# Altium PCB BreakOutBoard_Cyclone.PcbDoc (part 4 of 6)
Units mm, origin at the board's own origin, x right, y up, seen from the top; angles counter-clockwise.
Board outline 360 x 235.6 mm, 2 copper layers (Top Layer, Bottom Layer); 147 components, 204 nets, 2829 pads, 66 vias.
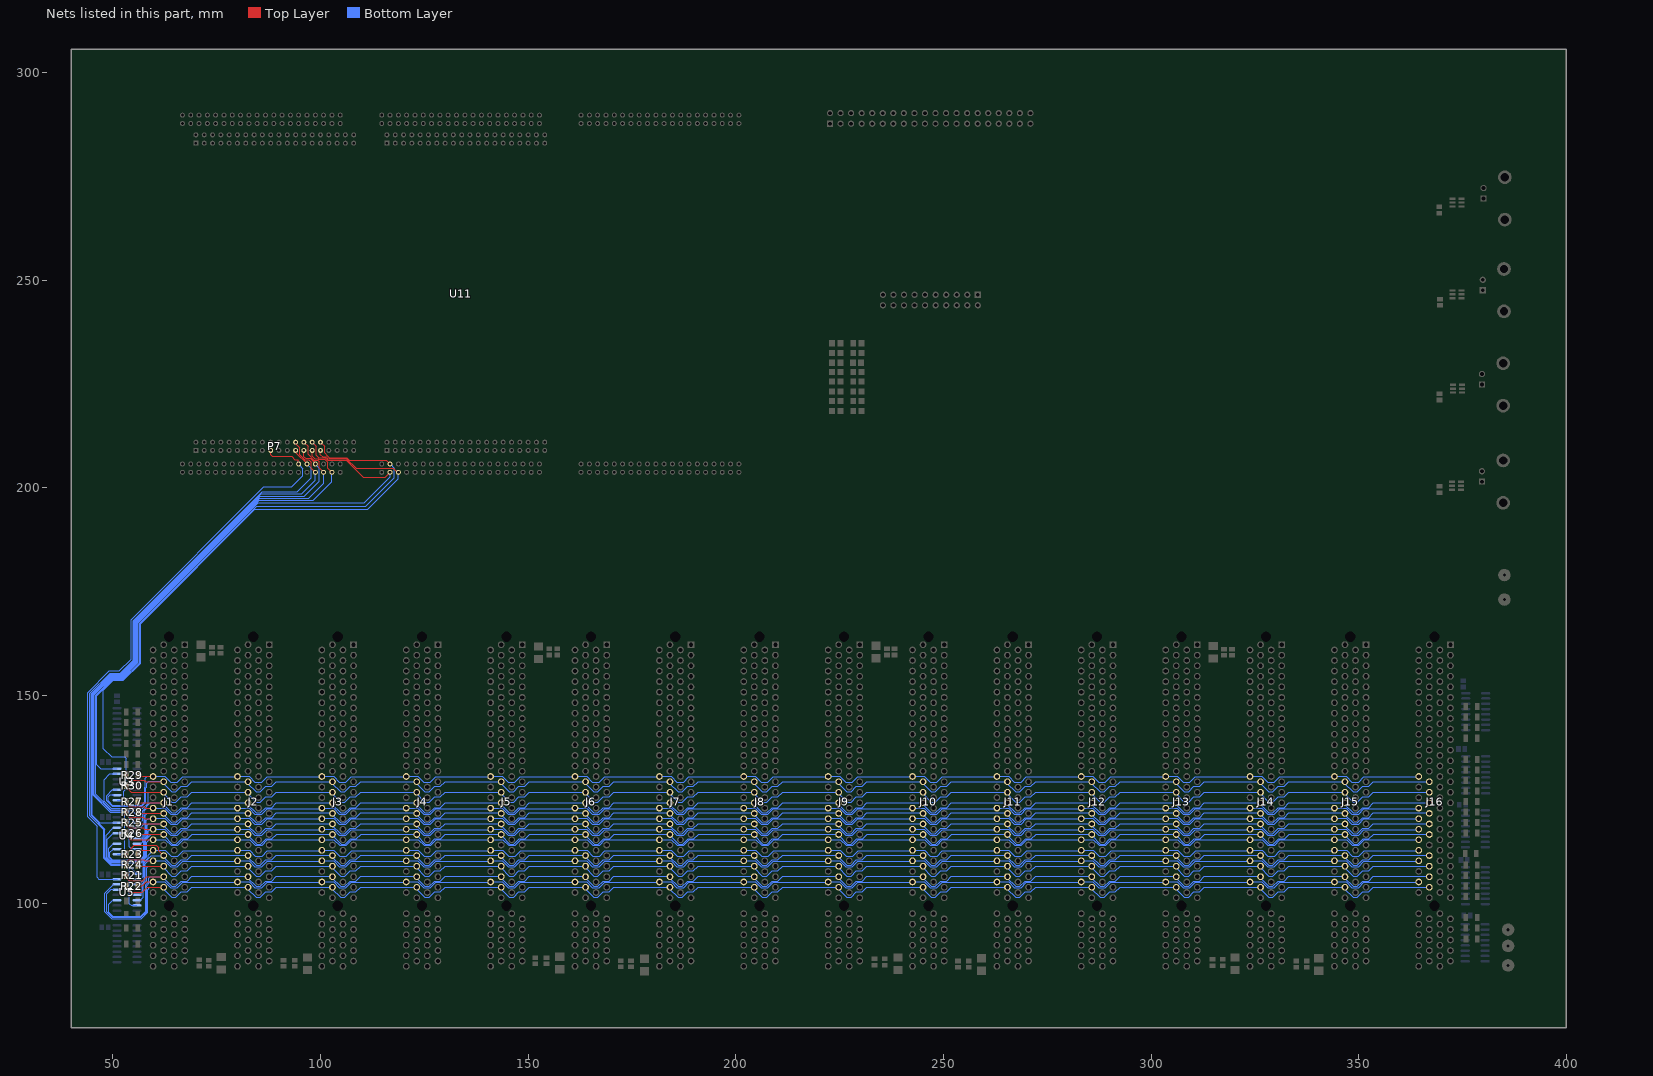
[diagram p4: the nets of this part, all layers, seen from the top]

## Via types
v1: diameter 0.6, hole 0.3, Top Layer to Bottom Layer, 50 vias
v2: diameter 5.5, hole 4.5, Top Layer to Bottom Layer, 15 vias
v3: diameter 1, hole 0.5, Top Layer to Bottom Layer, 1 vias

## Nets (pads, with @x,y where several pads share a name; then routed paths per layer and width w, separated by ;. In a path a pad name is that pad's centre, name@x,y a point inside that pad or via, vN(x,y) a via of type N, cw(c..) or ccw(c..) an arc to the next point about the centre after c; other vN are vias at no path point) (continued)
BUS20_P: J1.105 J2.105 J3.105 J4.105 J5.105 J6.105 J7.105 J8.105 J9.105 J10.105 J11.105 J12.105 J13.105 J14.105 J15.105 J16.105 R21.2 U5.11 | length 372.7
  Top Layer w0.127: R21.2@53.2,106.2 54,105.4 57.2,105.4 58.162,106.362 J1.105@62.23,106.362
  Bottom Layer w0.127: U5.11@50,100.7 49.046,99.746 49.046,97.754 50,96.8 56.659,96.8 57.862,98.003 57.862,104.384 58.616,105.138 58.616,106.016 58.962,106.362 J1.105@62.23,106.362 ; J1.105@62.1,106.4 62.1,106.1 64.2,104 65.2,104 66.5,105.3 67.9,105.3 69.023,106.422 J2.105@82.45,106.422 ; J2.105@82.42,106.4 82.42,106.1 84.52,104 85.52,104 86.82,105.3 88.22,105.3 89.343,106.422 J3.105@102.77,106.422 ; J3.105@102.74,106.4 102.74,106.1 104.84,104 105.84,104 107.14,105.3 108.54,105.3 109.663,106.422 J4.105@123.09,106.422 ; J4.105@123.06,106.4 123.06,106.1 125.16,104 126.16,104 127.46,105.3 128.86,105.3 129.983,106.422 J5.105@143.41,106.422 ; J5.105@143.38,106.4 143.38,106.1 145.48,104 146.48,104 147.78,105.3 149.18,105.3 150.303,106.422 J6.105@163.73,106.422 ; J6.105@163.7,106.4 163.7,106.1 165.8,104 166.8,104 168.1,105.3 169.5,105.3 170.623,106.422 J7.105@184.05,106.422 ; J7.105@184.02,106.4 184.02,106.1 186.12,104 187.12,104 188.42,105.3 189.82,105.3 190.943,106.422 J8.105@204.37,106.422 ; J8.105@204.34,106.4 204.34,106.1 206.44,104 207.44,104 208.74,105.3 210.14,105.3 211.263,106.422 J9.105@224.69,106.422 ; J9.105@224.66,106.4 224.66,106.1 226.76,104 227.76,104 229.06,105.3 230.46,105.3 231.583,106.422 J10.105@245.01,106.422 ; J10.105@244.98,106.4 244.98,106.1 247.08,104 248.08,104 249.38,105.3 250.78,105.3 251.903,106.422 J11.105@265.33,106.422 ; J11.105@265.3,106.4 265.3,106.1 267.4,104 268.4,104 269.7,105.3 271.1,105.3 272.223,106.422 J12.105@285.65,106.422 ; J12.105@285.62,106.4 285.62,106.1 287.72,104 288.72,104 290.02,105.3 291.42,105.3 292.543,106.422 J13.105@305.97,106.422 ; J13.105@305.94,106.4 305.94,106.1 308.04,104 309.04,104 310.34,105.3 311.74,105.3 312.863,106.422 J14.105@326.29,106.422 ; J14.105@326.26,106.4 326.26,106.1 328.36,104 329.36,104 330.66,105.3 332.06,105.3 333.183,106.422 J15.105@346.61,106.422 ; J15.105@346.58,106.4 346.58,106.1 348.68,104 349.68,104 350.98,105.3 352.38,105.3 353.503,106.422 J16.105@366.93,106.422
BUS21: P7.19 U5.15 U11.1A30 | length 142.3
  Top Layer w0.127: P7.19@88,209 88,208.008 88.4,207.608 93.051,207.608 93.859,206.8 94.5,206.8 94.7,206.6 U11.1A30@94.7,205.8
  Bottom Layer w0.127: 46.2,109.3 46.2,108.7 ; U5.15@51,105.775 46.625,105.775 46.2,106.2 46.2,108.7 ; U11.1A30@94.73,205.7 95.77,204.66 95.77,202.88 93.1,200.21 86.328,200.21 54.376,168.258 54.376,158.727 51.564,155.916 49.183,155.916 43.978,150.711 43.978,120.785 46.2,118.563 46.2,108.7
BUS21_N: J1.107 J2.107 J3.107 J4.107 J5.107 J6.107 J7.107 J8.107 J9.107 J10.107 J11.107 J12.107 J13.107 J14.107 J15.107 J16.107 R22.1 U5.14 | length 376.3
  Top Layer w0.127: R22.1@53.2,103.4 54,102.6 57.1,102.6 58.322,103.822 J1.107@62.23,103.822
  Bottom Layer w0.127: U5.14@50.2,104.5 48.1,102.4 48.1,97.941 49.749,96.292 56.87,96.292 58.37,97.792 58.37,103.27 58.923,103.822 J1.107@62.23,103.822 ; J1.107@62.1,103.8 62.1,103.5 64.2,101.4 65.2,101.4 66.5,102.7 67.9,102.7 69.023,103.822 J2.107@82.45,103.822 ; J2.107@82.42,103.8 82.42,103.5 84.52,101.4 85.52,101.4 86.82,102.7 88.22,102.7 89.343,103.822 J3.107@102.77,103.822 ; J3.107@102.74,103.8 102.74,103.5 104.84,101.4 105.84,101.4 107.14,102.7 108.54,102.7 109.663,103.822 J4.107@123.09,103.822 ; J4.107@123.06,103.8 123.06,103.5 125.16,101.4 126.16,101.4 127.46,102.7 128.86,102.7 129.983,103.822 J5.107@143.41,103.822 ; J5.107@143.38,103.8 143.38,103.5 145.48,101.4 146.48,101.4 147.78,102.7 149.18,102.7 150.303,103.822 J6.107@163.73,103.822 ; J6.107@163.7,103.8 163.7,103.5 165.8,101.4 166.8,101.4 168.1,102.7 169.5,102.7 170.623,103.822 J7.107@184.05,103.822 ; J7.107@184.02,103.8 184.02,103.5 186.12,101.4 187.12,101.4 188.42,102.7 189.82,102.7 190.943,103.822 J8.107@204.37,103.822 ; J8.107@204.34,103.8 204.34,103.5 206.44,101.4 207.44,101.4 208.74,102.7 210.14,102.7 211.263,103.822 J9.107@224.69,103.822 ; J9.107@224.66,103.8 224.66,103.5 226.76,101.4 227.76,101.4 229.06,102.7 230.46,102.7 231.583,103.822 J10.107@245.01,103.822 ; J10.107@244.98,103.8 244.98,103.5 247.08,101.4 248.08,101.4 249.38,102.7 250.78,102.7 251.903,103.822 J11.107@265.33,103.822 ; J11.107@265.3,103.8 265.3,103.5 267.4,101.4 268.4,101.4 269.7,102.7 271.1,102.7 272.223,103.822 J12.107@285.65,103.822 ; J12.107@285.62,103.8 285.62,103.5 287.72,101.4 288.72,101.4 290.02,102.7 291.42,102.7 292.543,103.822 J13.107@305.97,103.822 ; J13.107@305.94,103.8 305.94,103.5 308.04,101.4 309.04,101.4 310.34,102.7 311.74,102.7 312.863,103.822 J14.107@326.29,103.822 ; J14.107@326.26,103.8 326.26,103.5 328.36,101.4 329.36,101.4 330.66,102.7 332.06,102.7 333.183,103.822 J15.107@346.61,103.822 ; J15.107@346.58,103.8 346.58,103.5 348.68,101.4 349.68,101.4 350.98,102.7 352.38,102.7 353.503,103.822 J16.107@366.93,103.822
BUS21_P: J1.106 J2.106 J3.106 J4.106 J5.106 J6.106 J7.106 J8.106 J9.106 J10.106 J11.106 J12.106 J13.106 J14.106 J15.106 J16.106 R22.2 U5.13 | length 352
  Top Layer w0.127: R22.2@55.9,104.1 R22.2@55.95,104.1 57,104.1 57.993,105.093 J1.106@59.69,105.093
  Bottom Layer w0.127: U5.13@50.2,103.3 49.6,103.3 48.5,102.2 48.5,97.9 49.568,96.832 49.854,96.546 56.764,96.546 58.116,97.898 58.116,104.2 59.009,105.093 J1.106@59.69,105.093 ; J1.106@59.6,105.1 62.5,105.1 63.9,103.7 65.5,103.7 66.8,105 79.758,105 J2.106@79.91,105.152 ; J2.106@79.92,105.1 82.82,105.1 84.22,103.7 85.82,103.7 87.12,105 100.078,105 J3.106@100.23,105.152 ; J3.106@100.24,105.1 103.14,105.1 104.54,103.7 106.14,103.7 107.44,105 120.398,105 J4.106@120.55,105.152 ; J4.106@120.56,105.1 123.46,105.1 124.86,103.7 126.46,103.7 127.76,105 140.718,105 J5.106@140.87,105.152 ; J5.106@140.88,105.1 143.78,105.1 145.18,103.7 146.78,103.7 148.08,105 161.038,105 J6.106@161.19,105.152 ; J6.106@161.2,105.1 164.1,105.1 165.5,103.7 167.1,103.7 168.4,105 181.358,105 J7.106@181.51,105.152 ; J7.106@181.52,105.1 184.42,105.1 185.82,103.7 187.42,103.7 188.72,105 201.678,105 J8.106@201.83,105.152 ; J8.106@201.84,105.1 204.74,105.1 206.14,103.7 207.74,103.7 209.04,105 221.998,105 J9.106@222.15,105.152 ; J9.106@222.16,105.1 225.06,105.1 226.46,103.7 228.06,103.7 229.36,105 242.318,105 J10.106@242.47,105.152 ; J10.106@242.48,105.1 245.38,105.1 246.78,103.7 248.38,103.7 249.68,105 262.638,105 J11.106@262.79,105.152 ; J11.106@262.8,105.1 265.7,105.1 267.1,103.7 268.7,103.7 270,105 282.958,105 J12.106@283.11,105.152 ; J12.106@283.12,105.1 286.02,105.1 287.42,103.7 289.02,103.7 290.32,105 303.278,105 J13.106@303.43,105.152 ; J13.106@303.44,105.1 306.34,105.1 307.74,103.7 309.34,103.7 310.64,105 323.598,105 J14.106@323.75,105.152 ; J14.106@323.76,105.1 326.66,105.1 328.06,103.7 329.66,103.7 330.96,105 343.918,105 J15.106@344.07,105.152 ; J15.106@344.08,105.1 346.98,105.1 348.38,103.7 349.98,103.7 351.28,105 364.238,105 J16.106@364.39,105.152
BUS22: P7.26 U5.1 U11.1A33 | length 142.9
  Top Layer w0.127: P7.26@94,211 94,210.6 95,209.6 95,208 96.2,206.8 97.2,206.8 97.8,206.2 97.8,204.7 U11.1A33@98.75,203.75 U11.1A33@98.8,203.7
  Bottom Layer w0.127: U5.1@55.8,107.045 53.445,109.4 49.563,109.4 48.1,110.863 48.1,117.741 44.74,121.101 44.74,150.395 49.498,155.154 51.88,155.154 55.138,158.412 55.138,167.942 85.786,198.59 95.53,198.59 98.75,201.81 U11.1A33@98.75,203.74
BUS22_N: J1.100 J2.100 J3.100 J4.100 J5.100 J6.100 J7.100 J8.100 J9.100 J10.100 J11.100 J12.100 J13.100 J14.100 J15.100 J16.100 R23.1 U5.2 | length 334.4
  Top Layer w0.127: R23.1@56.2,112 56.912,112.712 J1.100@59.69,112.712
  Bottom Layer w0.127: U5.2@56.6,105.8 57.3,106.5 57.3,109.8 58.47,110.97 58.47,111.492 J1.100@59.69,112.712 ; J1.100@59.7,112.7 62.6,112.7 64,111.3 65.6,111.3 66.9,112.6 79.858,112.6 J2.100@80.01,112.752 ; J2.100@80.02,112.7 82.92,112.7 84.32,111.3 85.92,111.3 87.22,112.6 100.178,112.6 J3.100@100.33,112.752 ; J3.100@100.34,112.7 103.24,112.7 104.64,111.3 106.24,111.3 107.54,112.6 120.498,112.6 J4.100@120.65,112.752 ; J4.100@120.66,112.7 123.56,112.7 124.96,111.3 126.56,111.3 127.86,112.6 140.818,112.6 J5.100@140.97,112.752 ; J5.100@140.98,112.7 143.88,112.7 145.28,111.3 146.88,111.3 148.18,112.6 161.138,112.6 J6.100@161.29,112.752 ; J6.100@161.3,112.7 164.2,112.7 165.6,111.3 167.2,111.3 168.5,112.6 181.458,112.6 J7.100@181.61,112.752 ; J7.100@181.62,112.7 184.52,112.7 185.92,111.3 187.52,111.3 188.82,112.6 201.778,112.6 J8.100@201.93,112.752 ; J8.100@201.94,112.7 204.84,112.7 206.24,111.3 207.84,111.3 209.14,112.6 222.098,112.6 J9.100@222.25,112.752 ; J9.100@222.26,112.7 225.16,112.7 226.56,111.3 228.16,111.3 229.46,112.6 242.418,112.6 J10.100@242.57,112.752 ; J10.100@242.58,112.7 245.48,112.7 246.88,111.3 248.48,111.3 249.78,112.6 262.738,112.6 J11.100@262.89,112.752 ; J11.100@262.9,112.7 265.8,112.7 267.2,111.3 268.8,111.3 270.1,112.6 283.058,112.6 J12.100@283.21,112.752 ; J12.100@283.22,112.7 286.12,112.7 287.52,111.3 289.12,111.3 290.42,112.6 303.378,112.6 J13.100@303.53,112.752 ; J13.100@303.54,112.7 306.44,112.7 307.84,111.3 309.44,111.3 310.74,112.6 323.698,112.6 J14.100@323.85,112.752 ; J14.100@323.86,112.7 326.76,112.7 328.16,111.3 329.76,111.3 331.06,112.6 344.018,112.6 J15.100@344.17,112.752 ; J15.100@344.18,112.7 347.08,112.7 348.48,111.3 350.08,111.3 351.38,112.6 364.338,112.6 J16.100@364.49,112.752
BUS22_P: J1.101 J2.101 J3.101 J4.101 J5.101 J6.101 J7.101 J8.101 J9.101 J10.101 J11.101 J12.101 J13.101 J14.101 J15.101 J16.101 R23.2 U5.3 | length 360
  Top Layer w0.127: R23.2@53.3,112 55.2,113.9 60.5,113.9 61.1,113.3 61.1,112.573 J1.101@62.23,111.442
  Bottom Layer w0.127: U5.3@56.4,104.6 57.6,105.8 57.6,109.741 59.302,111.442 J1.101@62.23,111.442 ; J1.101@62.1,111.5 62.1,111.2 64.2,109.1 65.2,109.1 66.5,110.4 67.9,110.4 69.023,111.522 J2.101@82.45,111.522 ; J2.101@82.42,111.5 82.42,111.2 84.52,109.1 85.52,109.1 86.82,110.4 88.22,110.4 89.343,111.522 J3.101@102.77,111.522 ; J3.101@102.74,111.5 102.74,111.2 104.84,109.1 105.84,109.1 107.14,110.4 108.54,110.4 109.663,111.522 J4.101@123.09,111.522 ; J4.101@123.06,111.5 123.06,111.2 125.16,109.1 126.16,109.1 127.46,110.4 128.86,110.4 129.983,111.522 J5.101@143.41,111.522 ; J5.101@143.38,111.5 143.38,111.2 145.48,109.1 146.48,109.1 147.78,110.4 149.18,110.4 150.303,111.522 J6.101@163.73,111.522 ; J6.101@163.7,111.5 163.7,111.2 165.8,109.1 166.8,109.1 168.1,110.4 169.5,110.4 170.623,111.522 J7.101@184.05,111.522 ; J7.101@184.02,111.5 184.02,111.2 186.12,109.1 187.12,109.1 188.42,110.4 189.82,110.4 190.943,111.522 J8.101@204.37,111.522 ; J8.101@204.34,111.5 204.34,111.2 206.44,109.1 207.44,109.1 208.74,110.4 210.14,110.4 211.263,111.522 J9.101@224.69,111.522 ; J9.101@224.66,111.5 224.66,111.2 226.76,109.1 227.76,109.1 229.06,110.4 230.46,110.4 231.583,111.522 J10.101@245.01,111.522 ; J10.101@244.98,111.5 244.98,111.2 247.08,109.1 248.08,109.1 249.38,110.4 250.78,110.4 251.903,111.522 J11.101@265.33,111.522 ; J11.101@265.3,111.5 265.3,111.2 267.4,109.1 268.4,109.1 269.7,110.4 271.1,110.4 272.223,111.522 J12.101@285.65,111.522 ; J12.101@285.62,111.5 285.62,111.2 287.72,109.1 288.72,109.1 290.02,110.4 291.42,110.4 292.543,111.522 J13.101@305.97,111.522 ; J13.101@305.94,111.5 305.94,111.2 308.04,109.1 309.04,109.1 310.34,110.4 311.74,110.4 312.863,111.522 J14.101@326.29,111.522 ; J14.101@326.26,111.5 326.26,111.2 328.36,109.1 329.36,109.1 330.66,110.4 332.06,110.4 333.183,111.522 J15.101@346.61,111.522 ; J15.101@346.58,111.5 346.58,111.2 348.68,109.1 349.68,109.1 350.98,110.4 352.38,110.4 353.503,111.522 J16.101@366.93,111.522
BUS23: P7.25 U5.7 U11.1A32 | length 147.1
  Top Layer w0.127: P7.25@94,208.9 94,208.5 U11.1A32@96.75,205.75
  Bottom Layer w0.127: U5.7@55.8,99.425 54.475,99.425 54,99.9 54,108.446 53.346,109.1 49.504,109.1 47.841,110.763 47.841,117.641 44.486,120.996 44.486,150.5 49.393,155.408 51.775,155.408 54.884,158.517 54.884,168.047 85.917,199.08 94.41,199.08 97.74,202.41 97.74,204.7 U11.1A32@96.73,205.71
BUS23_N: J1.103 J2.103 J3.103 J4.103 J5.103 J6.103 J7.103 J8.103 J9.103 J10.103 J11.103 J12.103 J13.103 J14.103 J15.103 J16.103 R24.1 U5.6 | length 357
  Top Layer w0.127: R24.1@56,109.4 56.497,108.902 J1.103@62.23,108.902
  Bottom Layer w0.127: U5.6@56.6,100.7 57.346,101.446 57.346,104.587 58.108,105.349 58.108,108.5 58.511,108.902 J1.103@62.23,108.902 ; J1.103@62.1,108.9 62.1,108.6 64.2,106.5 65.2,106.5 66.5,107.8 67.9,107.8 69.023,108.922 J2.103@82.45,108.922 ; J2.103@82.42,108.9 82.42,108.6 84.52,106.5 85.52,106.5 86.82,107.8 88.22,107.8 89.343,108.922 J3.103@102.77,108.922 ; J3.103@102.74,108.9 102.74,108.6 104.84,106.5 105.84,106.5 107.14,107.8 108.54,107.8 109.663,108.922 J4.103@123.09,108.922 ; J4.103@123.06,108.9 123.06,108.6 125.16,106.5 126.16,106.5 127.46,107.8 128.86,107.8 129.983,108.922 J5.103@143.41,108.922 ; J5.103@143.38,108.9 143.38,108.6 145.48,106.5 146.48,106.5 147.78,107.8 149.18,107.8 150.303,108.922 J6.103@163.73,108.922 ; J6.103@163.7,108.9 163.7,108.6 165.8,106.5 166.8,106.5 168.1,107.8 169.5,107.8 170.623,108.922 J7.103@184.05,108.922 ; J7.103@184.02,108.9 184.02,108.6 186.12,106.5 187.12,106.5 188.42,107.8 189.82,107.8 190.943,108.922 J8.103@204.37,108.922 ; J8.103@204.34,108.9 204.34,108.6 206.44,106.5 207.44,106.5 208.74,107.8 210.14,107.8 211.263,108.922 J9.103@224.69,108.922 ; J9.103@224.66,108.9 224.66,108.6 226.76,106.5 227.76,106.5 229.06,107.8 230.46,107.8 231.583,108.922 J10.103@245.01,108.922 ; J10.103@244.98,108.9 244.98,108.6 247.08,106.5 248.08,106.5 249.38,107.8 250.78,107.8 251.903,108.922 J11.103@265.33,108.922 ; J11.103@265.3,108.9 265.3,108.6 267.4,106.5 268.4,106.5 269.7,107.8 271.1,107.8 272.223,108.922 J12.103@285.65,108.922 ; J12.103@285.62,108.9 285.62,108.6 287.72,106.5 288.72,106.5 290.02,107.8 291.42,107.8 292.543,108.922 J13.103@305.97,108.922 ; J13.103@305.94,108.9 305.94,108.6 308.04,106.5 309.04,106.5 310.34,107.8 311.74,107.8 312.863,108.922 J14.103@326.29,108.922 ; J14.103@326.26,108.9 326.26,108.6 328.36,106.5 329.36,106.5 330.66,107.8 332.06,107.8 333.183,108.922 J15.103@346.61,108.922 ; J15.103@346.58,108.9 346.58,108.6 348.68,106.5 349.68,106.5 350.98,107.8 352.38,107.8 353.503,108.922 J16.103@366.93,108.922
BUS23_P: J1.102 J2.102 J3.102 J4.102 J5.102 J6.102 J7.102 J8.102 J9.102 J10.102 J11.102 J12.102 J13.102 J14.102 J15.102 J16.102 R24.2 U5.5 | length 339.3
  Top Layer w0.127: R24.2@53.2,109.9 53.8,110.5 57.4,110.5 57.727,110.172 J1.102@59.69,110.172
  Bottom Layer w0.127: U5.5@56.6,102.1 57.092,102.592 57.092,104.692 57.854,105.454 57.854,109.5 58.526,110.172 J1.102@59.69,110.172 ; J1.102@59.6,110.2 62.5,110.2 63.9,108.8 65.5,108.8 66.8,110.1 79.758,110.1 J2.102@79.91,110.252 ; J2.102@79.92,110.2 82.82,110.2 84.22,108.8 85.82,108.8 87.12,110.1 100.078,110.1 J3.102@100.23,110.252 ; J3.102@100.24,110.2 103.14,110.2 104.54,108.8 106.14,108.8 107.44,110.1 120.398,110.1 J4.102@120.55,110.252 ; J4.102@120.56,110.2 123.46,110.2 124.86,108.8 126.46,108.8 127.76,110.1 140.718,110.1 J5.102@140.87,110.252 ; J5.102@140.88,110.2 143.78,110.2 145.18,108.8 146.78,108.8 148.08,110.1 161.038,110.1 J6.102@161.19,110.252 ; J6.102@161.2,110.2 164.1,110.2 165.5,108.8 167.1,108.8 168.4,110.1 181.358,110.1 J7.102@181.51,110.252 ; J7.102@181.52,110.2 184.42,110.2 185.82,108.8 187.42,108.8 188.72,110.1 201.678,110.1 J8.102@201.83,110.252 ; J8.102@201.84,110.2 204.74,110.2 206.14,108.8 207.74,108.8 209.04,110.1 221.998,110.1 J9.102@222.15,110.252 ; J9.102@222.16,110.2 225.06,110.2 226.46,108.8 228.06,108.8 229.36,110.1 242.318,110.1 J10.102@242.47,110.252 ; J10.102@242.48,110.2 245.38,110.2 246.78,108.8 248.38,108.8 249.68,110.1 262.638,110.1 J11.102@262.79,110.252 ; J11.102@262.8,110.2 265.7,110.2 267.1,108.8 268.7,108.8 270,110.1 282.958,110.1 J12.102@283.11,110.252 ; J12.102@283.12,110.2 286.02,110.2 287.42,108.8 289.02,108.8 290.32,110.1 303.278,110.1 J13.102@303.43,110.252 ; J13.102@303.44,110.2 306.34,110.2 307.74,108.8 309.34,108.8 310.64,110.1 323.598,110.1 J14.102@323.75,110.252 ; J14.102@323.76,110.2 326.66,110.2 328.06,108.8 329.66,108.8 330.96,110.1 343.918,110.1 J15.102@344.07,110.252 ; J15.102@344.08,110.2 346.98,110.2 348.38,108.8 349.98,108.8 351.28,110.1 364.238,110.1 J16.102@364.39,110.252
BUS24: P7.28 U4.9 U11.1A35 | length 139.4
  Top Layer w0.127: P7.28@96,211 97,210 97,208.1 98.4,206.7 99.3,206.7 99.7,206.3 99.7,204.8 U11.1A35@100.75,203.75 U11.1A35@100.8,203.7
  Bottom Layer w0.127: U4.9@51,111.755 52.155,111.755 52.8,112.4 52.8,121.446 52.346,121.9 49.404,121.9 45.28,126.024 45.28,150.217 49.709,154.646 52.09,154.646 55.646,158.201 55.646,167.732 85.364,197.45 97.15,197.45 100.75,201.05 U11.1A35@100.75,203.75 U11.1A35@100.75,203.76
BUS24_N: J1.95 J2.95 J3.95 J4.95 J5.95 J6.95 J7.95 J8.95 J9.95 J10.95 J11.95 J12.95 J13.95 J14.95 J15.95 J16.95 R25.1 U4.10 | length 366.9
  Top Layer w0.127: R25.1@56,119.3 56.237,119.062 J1.95@62.23,119.062
  Bottom Layer w0.127: U4.10@50.1,113 49.3,112.2 49.3,111.1 49.9,110.5 56.5,110.5 57.454,111.454 57.454,115.5 58.308,116.354 58.308,118.7 58.671,119.062 J1.95@62.23,119.062 ; J1.95@62.1,119.1 62.1,118.8 64.2,116.7 65.2,116.7 66.5,118 67.9,118 69.023,119.122 J2.95@82.45,119.122 ; J2.95@82.42,119.1 82.42,118.8 84.52,116.7 85.52,116.7 86.82,118 88.22,118 89.343,119.122 J3.95@102.77,119.122 ; J3.95@102.74,119.1 102.74,118.8 104.84,116.7 105.84,116.7 107.14,118 108.54,118 109.663,119.122 J4.95@123.09,119.122 ; J4.95@123.06,119.1 123.06,118.8 125.16,116.7 126.16,116.7 127.46,118 128.86,118 129.983,119.122 J5.95@143.41,119.122 ; J5.95@143.38,119.1 143.38,118.8 145.48,116.7 146.48,116.7 147.78,118 149.18,118 150.303,119.122 J6.95@163.73,119.122 ; J6.95@163.7,119.1 163.7,118.8 165.8,116.7 166.8,116.7 168.1,118 169.5,118 170.623,119.122 J7.95@184.05,119.122 ; J7.95@184.02,119.1 184.02,118.8 186.12,116.7 187.12,116.7 188.42,118 189.82,118 190.943,119.122 J8.95@204.37,119.122 ; J8.95@204.34,119.1 204.34,118.8 206.44,116.7 207.44,116.7 208.74,118 210.14,118 211.263,119.122 J9.95@224.69,119.122 ; J9.95@224.66,119.1 224.66,118.8 226.76,116.7 227.76,116.7 229.06,118 230.46,118 231.583,119.122 J10.95@245.01,119.122 ; J10.95@244.98,119.1 244.98,118.8 247.08,116.7 248.08,116.7 249.38,118 250.78,118 251.903,119.122 J11.95@265.33,119.122 ; J11.95@265.3,119.1 265.3,118.8 267.4,116.7 268.4,116.7 269.7,118 271.1,118 272.223,119.122 J12.95@285.65,119.122 ; J12.95@285.62,119.1 285.62,118.8 287.72,116.7 288.72,116.7 290.02,118 291.42,118 292.543,119.122 J13.95@305.97,119.122 ; J13.95@305.94,119.1 305.94,118.8 308.04,116.7 309.04,116.7 310.34,118 311.74,118 312.863,119.122 J14.95@326.29,119.122 ; J14.95@326.26,119.1 326.26,118.8 328.36,116.7 329.36,116.7 330.66,118 332.06,118 333.183,119.122 J15.95@346.61,119.122 ; J15.95@346.58,119.1 346.58,118.8 348.68,116.7 349.68,116.7 350.98,118 352.38,118 353.503,119.122 J16.95@366.93,119.122
BUS24_P: J1.96 J2.96 J3.96 J4.96 J5.96 J6.96 J7.96 J8.96 J9.96 J10.96 J11.96 J12.96 J13.96 J14.96 J15.96 J16.96 R25.2 U4.11 | length 349.8
  Top Layer w0.127: R25.2@53.4,118.7 54,118.1 57.3,118.1 57.607,117.792 J1.96@59.69,117.792
  Bottom Layer w0.127: U4.11@50.1,114.3 49.046,113.246 49.046,110.995 49.795,110.246 56.605,110.246 57.708,111.349 57.708,115.395 58.562,116.249 58.562,117.3 59.055,117.792 J1.96@59.69,117.792 ; J1.96@59.6,117.8 62.5,117.8 63.9,116.4 65.5,116.4 66.8,117.7 79.758,117.7 J2.96@79.91,117.852 ; J2.96@79.92,117.8 82.82,117.8 84.22,116.4 85.82,116.4 87.12,117.7 100.078,117.7 J3.96@100.23,117.852 ; J3.96@100.24,117.8 103.14,117.8 104.54,116.4 106.14,116.4 107.44,117.7 120.398,117.7 J4.96@120.55,117.852 ; J4.96@120.56,117.8 123.46,117.8 124.86,116.4 126.46,116.4 127.76,117.7 140.718,117.7 J5.96@140.87,117.852 ; J5.96@140.88,117.8 143.78,117.8 145.18,116.4 146.78,116.4 148.08,117.7 161.038,117.7 J6.96@161.19,117.852 ; J6.96@161.2,117.8 164.1,117.8 165.5,116.4 167.1,116.4 168.4,117.7 181.358,117.7 J7.96@181.51,117.852 ; J7.96@181.52,117.8 184.42,117.8 185.82,116.4 187.42,116.4 188.72,117.7 201.678,117.7 J8.96@201.83,117.852 ; J8.96@201.84,117.8 204.74,117.8 206.14,116.4 207.74,116.4 209.04,117.7 221.998,117.7 J9.96@222.15,117.852 ; J9.96@222.16,117.8 225.06,117.8 226.46,116.4 228.06,116.4 229.36,117.7 242.318,117.7 J10.96@242.47,117.852 ; J10.96@242.48,117.8 245.38,117.8 246.78,116.4 248.38,116.4 249.68,117.7 262.638,117.7 J11.96@262.79,117.852 ; J11.96@262.8,117.8 265.7,117.8 267.1,116.4 268.7,116.4 270,117.7 282.958,117.7 J12.96@283.11,117.852 ; J12.96@283.12,117.8 286.02,117.8 287.42,116.4 289.02,116.4 290.32,117.7 303.278,117.7 J13.96@303.43,117.852 ; J13.96@303.44,117.8 306.34,117.8 307.74,116.4 309.34,116.4 310.64,117.7 323.598,117.7 J14.96@323.75,117.852 ; J14.96@323.76,117.8 326.66,117.8 328.06,116.4 329.66,116.4 330.96,117.7 343.918,117.7 J15.96@344.07,117.852 ; J15.96@344.08,117.8 346.98,117.8 348.38,116.4 349.98,116.4 351.28,117.7 364.238,117.7 J16.96@364.39,117.852
BUS25: P7.27 U4.15 U11.1A34 | length 126.9
  Top Layer w0.127: P7.27@96,209 96,207.5 96.4,207.1 97.5,207.1 U11.1A34@98.8,205.8
  Bottom Layer w0.127: U4.15@51,119.375 46.825,119.375 45.01,121.19 45.01,150.306 49.604,154.9 51.985,154.9 55.392,158.306 55.392,167.837 85.545,197.99 96.1,197.99 99.74,201.63 99.74,204.74 U11.1A34@98.76,205.72
BUS25_N: J1.98 J2.98 J3.98 J4.98 J5.98 J6.98 J7.98 J8.98 J9.98 J10.98 J11.98 J12.98 J13.98 J14.98 J15.98 J16.98 R26.1 U4.14 | length 353.1
  Top Layer w0.127: R26.1@53.4,116.2 54.347,115.252 J1.98@59.69,115.252
  Bottom Layer w0.127: U4.14@50.1,118.1 48.4,116.4 48.4,110.922 49.584,109.738 56.816,109.738 58.216,111.138 58.216,114.7 58.769,115.252 J1.98@59.69,115.252 ; J1.98@59.7,115.3 62.6,115.3 64,113.9 65.6,113.9 66.9,115.2 79.858,115.2 J2.98@80.01,115.352 ; J2.98@80.02,115.3 82.92,115.3 84.32,113.9 85.92,113.9 87.22,115.2 100.178,115.2 J3.98@100.33,115.352 ; J3.98@100.34,115.3 103.24,115.3 104.64,113.9 106.24,113.9 107.54,115.2 120.498,115.2 J4.98@120.65,115.352 ; J4.98@120.66,115.3 123.56,115.3 124.96,113.9 126.56,113.9 127.86,115.2 140.818,115.2 J5.98@140.97,115.352 ; J5.98@140.98,115.3 143.88,115.3 145.28,113.9 146.88,113.9 148.18,115.2 161.138,115.2 J6.98@161.29,115.352 ; J6.98@161.3,115.3 164.2,115.3 165.6,113.9 167.2,113.9 168.5,115.2 181.458,115.2 J7.98@181.61,115.352 ; J7.98@181.62,115.3 184.52,115.3 185.92,113.9 187.52,113.9 188.82,115.2 201.778,115.2 J8.98@201.93,115.352 ; J8.98@201.94,115.3 204.84,115.3 206.24,113.9 207.84,113.9 209.14,115.2 222.098,115.2 J9.98@222.25,115.352 ; J9.98@222.26,115.3 225.16,115.3 226.56,113.9 228.16,113.9 229.46,115.2 242.418,115.2 J10.98@242.57,115.352 ; J10.98@242.58,115.3 245.48,115.3 246.88,113.9 248.48,113.9 249.78,115.2 262.738,115.2 J11.98@262.89,115.352 ; J11.98@262.9,115.3 265.8,115.3 267.2,113.9 268.8,113.9 270.1,115.2 283.058,115.2 J12.98@283.21,115.352 ; J12.98@283.22,115.3 286.12,115.3 287.52,113.9 289.12,113.9 290.42,115.2 303.378,115.2 J13.98@303.53,115.352 ; J13.98@303.54,115.3 306.44,115.3 307.84,113.9 309.44,113.9 310.74,115.2 323.698,115.2 J14.98@323.85,115.352 ; J14.98@323.86,115.3 326.76,115.3 328.16,113.9 329.76,113.9 331.06,115.2 344.018,115.2 J15.98@344.17,115.352 ; J15.98@344.18,115.3 347.08,115.3 348.48,113.9 350.08,113.9 351.38,115.2 364.338,115.2 J16.98@364.49,115.352
BUS25_P: J1.97 J2.97 J3.97 J4.97 J5.97 J6.97 J7.97 J8.97 J9.97 J10.97 J11.97 J12.97 J13.97 J14.97 J15.97 J16.97 R26.2 U4.13 | length 369.6
  Top Layer w0.127: R26.2@56,116.8 56.277,116.522 J1.97@62.23,116.522
  Bottom Layer w0.127: U4.13@50.1,116.8 48.7,115.4 48.7,110.982 49.69,109.992 56.71,109.992 57.962,111.244 57.962,115.29 59.195,116.522 J1.97@62.2,116.522 ; J1.97@62.2,116.6 J1.97@62.2,116.522 ; J1.97@62.23,116.522 J1.97@62.2,116.522 ; J2.97@82.52,116.6 82.52,116.3 84.62,114.2 85.62,114.2 86.92,115.5 88.32,115.5 89.443,116.622 J3.97@102.87,116.622 ; J2.97@82.55,116.622 69.123,116.622 68,115.5 66.6,115.5 65.3,114.2 64.3,114.2 62.2,116.3 J1.97@62.2,116.522 ; J3.97@102.84,116.6 102.84,116.3 104.94,114.2 105.94,114.2 107.24,115.5 108.64,115.5 109.763,116.622 J4.97@123.19,116.622 ; J4.97@123.16,116.6 123.16,116.3 125.26,114.2 126.26,114.2 127.56,115.5 128.96,115.5 130.083,116.622 J5.97@143.51,116.622 ; J5.97@143.48,116.6 143.48,116.3 145.58,114.2 146.58,114.2 147.88,115.5 149.28,115.5 150.403,116.622 J6.97@163.83,116.622 ; J6.97@163.8,116.6 163.8,116.3 165.9,114.2 166.9,114.2 168.2,115.5 169.6,115.5 170.723,116.622 J7.97@184.15,116.622 ; J7.97@184.12,116.6 184.12,116.3 186.22,114.2 187.22,114.2 188.52,115.5 189.92,115.5 191.043,116.622 J8.97@204.47,116.622 ; J8.97@204.44,116.6 204.44,116.3 206.54,114.2 207.54,114.2 208.84,115.5 210.24,115.5 211.363,116.622 J9.97@224.79,116.622 ; J9.97@224.76,116.6 224.76,116.3 226.86,114.2 227.86,114.2 229.16,115.5 230.56,115.5 231.683,116.622 J10.97@245.11,116.622 ; J10.97@245.08,116.6 245.08,116.3 247.18,114.2 248.18,114.2 249.48,115.5 250.88,115.5 252.003,116.622 J11.97@265.43,116.622 ; J11.97@265.4,116.6 265.4,116.3 267.5,114.2 268.5,114.2 269.8,115.5 271.2,115.5 272.323,116.622 J12.97@285.75,116.622 ; J12.97@285.72,116.6 285.72,116.3 287.82,114.2 288.82,114.2 290.12,115.5 291.52,115.5 292.643,116.622 J13.97@306.07,116.622 ; J13.97@306.04,116.6 306.04,116.3 308.14,114.2 309.14,114.2 310.44,115.5 311.84,115.5 312.963,116.622 J14.97@326.39,116.622 ; J14.97@326.36,116.6 326.36,116.3 328.46,114.2 329.46,114.2 330.76,115.5 332.16,115.5 333.283,116.622 J15.97@346.71,116.622 ; J15.97@346.68,116.6 346.68,116.3 348.78,114.2 349.78,114.2 351.08,115.5 352.48,115.5 353.603,116.622 J16.97@367.03,116.622
BUS26: P7.30 U4.1 U11.1B3 | length 159.9
  Top Layer w0.127: P7.30@98,211 99,210 99,207.8 99.6,207.2 101.2,207.2 101.7,206.7 106.2,206.7 110.3,202.6 115.6,202.6 U11.1B3@116.75,203.75
  Bottom Layer w0.127: U4.1@55.8,120.645 55.8,121.138 54.438,122.5 49.522,122.5 45.816,126.206 45.816,150.034 49.919,154.138 52.301,154.138 56.168,158.005 56.168,167.535 85.033,196.4 110.49,196.4 116.77,202.68 U11.1B3@116.77,203.8
BUS26_N: J1.91 J2.91 J3.91 J4.91 J5.91 J6.91 J7.91 J8.91 J9.91 J10.91 J11.91 J12.91 J13.91 J14.91 J15.91 J16.91 R27.1 U4.2 | length 352.9
  Top Layer w0.127: R27.1@56.1,124.5 56.457,124.142 J1.91@62.23,124.142
  Bottom Layer w0.127: U4.2@56.7,119.5 57.2,120 57.2,122.3 59.043,124.142 J1.91@62.23,124.142 ; J1.91@62.1,124.1 62.1,123.8 64.2,121.7 65.2,121.7 66.5,123 67.9,123 69.023,124.123 J2.91@82.45,124.123 ; J2.91@82.42,124.1 82.42,123.8 84.52,121.7 85.52,121.7 86.82,123 88.22,123 89.343,124.123 J3.91@102.77,124.123 ; J3.91@102.74,124.1 102.74,123.8 104.84,121.7 105.84,121.7 107.14,123 108.54,123 109.663,124.123 J4.91@123.09,124.123 ; J4.91@123.06,124.1 123.06,123.8 125.16,121.7 126.16,121.7 127.46,123 128.86,123 129.983,124.123 J5.91@143.41,124.123 ; J5.91@143.38,124.1 143.38,123.8 145.48,121.7 146.48,121.7 147.78,123 149.18,123 150.303,124.123 J6.91@163.73,124.123 ; J6.91@163.7,124.1 163.7,123.8 165.8,121.7 166.8,121.7 168.1,123 169.5,123 170.623,124.123 J7.91@184.05,124.123 ; J7.91@184.02,124.1 184.02,123.8 186.12,121.7 187.12,121.7 188.42,123 189.82,123 190.943,124.123 J8.91@204.37,124.123 ; J8.91@204.34,124.1 204.34,123.8 206.44,121.7 207.44,121.7 208.74,123 210.14,123 211.263,124.123 J9.91@224.69,124.123 ; J9.91@224.66,124.1 224.66,123.8 226.76,121.7 227.76,121.7 229.06,123 230.46,123 231.583,124.123 J10.91@245.01,124.123 ; J10.91@244.98,124.1 244.98,123.8 247.08,121.7 248.08,121.7 249.38,123 250.78,123 251.903,124.123 J11.91@265.33,124.123 ; J11.91@265.3,124.1 265.3,123.8 267.4,121.7 268.4,121.7 269.7,123 271.1,123 272.223,124.123 J12.91@285.65,124.123 ; J12.91@285.62,124.1 285.62,123.8 287.72,121.7 288.72,121.7 290.02,123 291.42,123 292.543,124.123 J13.91@305.97,124.123 ; J13.91@305.94,124.1 305.94,123.8 308.04,121.7 309.04,121.7 310.34,123 311.74,123 312.863,124.123 J14.91@326.29,124.123 ; J14.91@326.26,124.1 326.26,123.8 328.36,121.7 329.36,121.7 330.66,123 332.06,123 333.183,124.123 J15.91@346.61,124.123 ; J15.91@346.58,124.1 346.58,123.8 348.68,121.7 349.68,121.7 350.98,123 352.38,123 353.503,124.123 J16.91@366.93,124.123
BUS26_P: J1.92 J2.92 J3.92 J4.92 J5.92 J6.92 J7.92 J8.92 J9.92 J10.92 J11.92 J12.92 J13.92 J14.92 J15.92 J16.92 R27.2 U4.3 | length 336
  Top Layer w0.127: R27.2@53.3,123.9 54,123.2 57.5,123.2 57.827,122.872 J1.92@59.69,122.872
  Bottom Layer w0.127: U4.3@56.6,118.2 57.5,119.1 57.5,122.2 58.172,122.872 J1.92@59.69,122.872 ; J1.92@59.6,122.8 62.5,122.8 63.9,121.4 65.5,121.4 66.8,122.7 79.758,122.7 J2.92@79.91,122.853 ; J2.92@79.92,122.8 82.82,122.8 84.22,121.4 85.82,121.4 87.12,122.7 100.078,122.7 J3.92@100.23,122.853 ; J3.92@100.24,122.8 103.14,122.8 104.54,121.4 106.14,121.4 107.44,122.7 120.398,122.7 J4.92@120.55,122.853 ; J4.92@120.56,122.8 123.46,122.8 124.86,121.4 126.46,121.4 127.76,122.7 140.718,122.7 J5.92@140.87,122.853 ; J5.92@140.88,122.8 143.78,122.8 145.18,121.4 146.78,121.4 148.08,122.7 161.038,122.7 J6.92@161.19,122.853 ; J6.92@161.2,122.8 164.1,122.8 165.5,121.4 167.1,121.4 168.4,122.7 181.358,122.7 J7.92@181.51,122.853 ; J7.92@181.52,122.8 184.42,122.8 185.82,121.4 187.42,121.4 188.72,122.7 201.678,122.7 J8.92@201.83,122.853 ; J8.92@201.84,122.8 204.74,122.8 206.14,121.4 207.74,121.4 209.04,122.7 221.998,122.7 J9.92@222.15,122.853 ; J9.92@222.16,122.8 225.06,122.8 226.46,121.4 228.06,121.4 229.36,122.7 242.318,122.7 J10.92@242.47,122.853 ; J10.92@242.48,122.8 245.38,122.8 246.78,121.4 248.38,121.4 249.68,122.7 262.638,122.7 J11.92@262.79,122.853 ; J11.92@262.8,122.8 265.7,122.8 267.1,121.4 268.7,121.4 270,122.7 282.958,122.7 J12.92@283.11,122.853 ; J12.92@283.12,122.8 286.02,122.8 287.42,121.4 289.02,121.4 290.32,122.7 303.278,122.7 J13.92@303.43,122.853 ; J13.92@303.44,122.8 306.34,122.8 307.74,121.4 309.34,121.4 310.64,122.7 323.598,122.7 J14.92@323.75,122.853 ; J14.92@323.76,122.8 326.66,122.8 328.06,121.4 329.66,121.4 330.96,122.7 343.918,122.7 J15.92@344.07,122.853 ; J15.92@344.08,122.8 346.98,122.8 348.38,121.4 349.98,121.4 351.28,122.7 364.238,122.7 J16.92@364.39,122.853
BUS27: P7.29 U4.7 U11.1A37 | length 139.5
  Top Layer w0.127: P7.29@98,209 98,207.6 98.646,206.954 99.487,206.954 99.495,206.946 101.054,206.946 101.8,206.2 101.8,204.7 U11.1A37@102.75,203.75
  Bottom Layer w0.127: U4.7@55.8,113.025 54.575,113.025 54,113.6 54,121.846 53.646,122.2 49.463,122.2 45.556,126.107 45.556,136.523 45.55,136.529 45.55,150.128 49.814,154.392 52.196,154.392 55.9,158.096 55.9,167.626 85.234,196.96 98.28,196.96 102.73,201.41 U11.1A37@102.73,203.73
BUS27_N: J1.94 J2.94 J3.94 J4.94 J5.94 J6.94 J7.94 J8.94 J9.94 J10.94 J11.94 J12.94 J13.94 J14.94 J15.94 J16.94 R28.1 U4.6 | length 337.1
  Top Layer w0.127: R28.1@53.3,121.3 53.9,120.7 57.3,120.7 57.667,120.332 J1.94@59.69,120.332
  Bottom Layer w0.127: U4.6@56.7,114.3 57.2,114.8 57.2,115.7 58.054,116.554 58.054,119.9 58.487,120.332 J1.94@59.69,120.332 ; J1.94@59.6,120.4 62.5,120.4 63.9,119 65.5,119 66.8,120.3 79.758,120.3 J2.94@79.91,120.452 ; J2.94@79.92,120.4 82.82,120.4 84.22,119 85.82,119 87.12,120.3 100.078,120.3 J3.94@100.23,120.452 ; J3.94@100.24,120.4 103.14,120.4 104.54,119 106.14,119 107.44,120.3 120.398,120.3 J4.94@120.55,120.452 ; J4.94@120.56,120.4 123.46,120.4 124.86,119 126.46,119 127.76,120.3 140.718,120.3 J5.94@140.87,120.452 ; J5.94@140.88,120.4 143.78,120.4 145.18,119 146.78,119 148.08,120.3 161.038,120.3 J6.94@161.19,120.452 ; J6.94@161.2,120.4 164.1,120.4 165.5,119 167.1,119 168.4,120.3 181.358,120.3 J7.94@181.51,120.452 ; J7.94@181.52,120.4 184.42,120.4 185.82,119 187.42,119 188.72,120.3 201.678,120.3 J8.94@201.83,120.452 ; J8.94@201.84,120.4 204.74,120.4 206.14,119 207.74,119 209.04,120.3 221.998,120.3 J9.94@222.15,120.452 ; J9.94@222.16,120.4 225.06,120.4 226.46,119 228.06,119 229.36,120.3 242.318,120.3 J10.94@242.47,120.452 ; J10.94@242.48,120.4 245.38,120.4 246.78,119 248.38,119 249.68,120.3 262.638,120.3 J11.94@262.79,120.452 ; J11.94@262.8,120.4 265.7,120.4 267.1,119 268.7,119 270,120.3 282.958,120.3 J12.94@283.11,120.452 ; J12.94@283.12,120.4 286.02,120.4 287.42,119 289.02,119 290.32,120.3 303.278,120.3 J13.94@303.43,120.452 ; J13.94@303.44,120.4 306.34,120.4 307.74,119 309.34,119 310.64,120.3 323.598,120.3 J14.94@323.75,120.452 ; J14.94@323.76,120.4 326.66,120.4 328.06,119 329.66,119 330.96,120.3 343.918,120.3 J15.94@344.07,120.452 ; J15.94@344.08,120.4 346.98,120.4 348.38,119 349.98,119 351.28,120.3 364.238,120.3 J16.94@364.39,120.452
BUS27_P: J1.93 J2.93 J3.93 J4.93 J5.93 J6.93 J7.93 J8.93 J9.93 J10.93 J11.93 J12.93 J13.93 J14.93 J15.93 J16.93 R28.2 U4.5 | length 354.8
  Top Layer w0.127: R28.2@56,121.8 56.197,121.602 J1.93@62.23,121.602
  Bottom Layer w0.127: U4.5@56.6,115.6 57.8,116.8 57.8,121.1 58.303,121.602 J1.93@62.23,121.602 ; J1.93@62.1,121.7 62.1,121.4 64.2,119.3 65.2,119.3 66.5,120.6 67.9,120.6 69.023,121.722 J2.93@82.45,121.722 ; J2.93@82.42,121.7 82.42,121.4 84.52,119.3 85.52,119.3 86.82,120.6 88.22,120.6 89.343,121.722 J3.93@102.77,121.722 ; J3.93@102.74,121.7 102.74,121.4 104.84,119.3 105.84,119.3 107.14,120.6 108.54,120.6 109.663,121.722 J4.93@123.09,121.722 ; J4.93@123.06,121.7 123.06,121.4 125.16,119.3 126.16,119.3 127.46,120.6 128.86,120.6 129.983,121.722 J5.93@143.41,121.722 ; J5.93@143.38,121.7 143.38,121.4 145.48,119.3 146.48,119.3 147.78,120.6 149.18,120.6 150.303,121.722 J6.93@163.73,121.722 ; J6.93@163.7,121.7 163.7,121.4 165.8,119.3 166.8,119.3 168.1,120.6 169.5,120.6 170.623,121.722 J7.93@184.05,121.722 ; J7.93@184.02,121.7 184.02,121.4 186.12,119.3 187.12,119.3 188.42,120.6 189.82,120.6 190.943,121.722 J8.93@204.37,121.722 ; J8.93@204.34,121.7 204.34,121.4 206.44,119.3 207.44,119.3 208.74,120.6 210.14,120.6 211.263,121.722 J9.93@224.69,121.722 ; J9.93@224.66,121.7 224.66,121.4 226.76,119.3 227.76,119.3 229.06,120.6 230.46,120.6 231.583,121.722 J10.93@245.01,121.722 ; J10.93@244.98,121.7 244.98,121.4 247.08,119.3 248.08,119.3 249.38,120.6 250.78,120.6 251.903,121.722 J11.93@265.33,121.722 ; J11.93@265.3,121.7 265.3,121.4 267.4,119.3 268.4,119.3 269.7,120.6 271.1,120.6 272.223,121.722 J12.93@285.65,121.722 ; J12.93@285.62,121.7 285.62,121.4 287.72,119.3 288.72,119.3 290.02,120.6 291.42,120.6 292.543,121.722 J13.93@305.97,121.722 ; J13.93@305.94,121.7 305.94,121.4 308.04,119.3 309.04,119.3 310.34,120.6 311.74,120.6 312.863,121.722 J14.93@326.29,121.722 ; J14.93@326.26,121.7 326.26,121.4 328.36,119.3 329.36,119.3 330.66,120.6 332.06,120.6 333.183,121.722 J15.93@346.61,121.722 ; J15.93@346.58,121.7 346.58,121.4 348.68,119.3 349.68,119.3 350.98,120.6 352.38,120.6 353.503,121.722 J16.93@366.93,121.722
BUS28: P7.31 U3.9 U11.1B5 | length 152.8
  Top Layer w0.127: P7.31@100,209 100,208 100.538,207.462 101.338,207.462 101.8,207 106.259,207 108.559,204.7 117.5,204.7 118.45,203.75 U11.1B5@118.75,203.75
  Bottom Layer w0.127: U3.9@51,124.755 51.955,124.755 52.6,125.4 52.6,126.9 53.2,127.5 53.2,134.792 52.8,135.192 49.671,135.192 47.7,137.163 47.7,151.2 50.13,153.63 52.511,153.63 56.676,157.794 56.676,167.325 84.191,194.84 111.38,194.84 118.72,202.18 U11.1B5@118.72,203.77
BUS28_N: J1.86 J2.86 J3.86 J4.86 J5.86 J6.86 J7.86 J8.86 J9.86 J10.86 J11.86 J12.86 J13.86 J14.86 J15.86 J16.86 R29.1 U3.10 | length 346
  Top Layer w0.127: R29.1@56,130.8 56.307,130.493 J1.86@59.69,130.493
  Bottom Layer w0.127: U3.10@50.2,126.1 49.4,126.1 48.9,125.6 48.9,124.6 49.9,123.6 56.9,123.6 57.7,124.4 57.7,127.863 57.854,128.017 57.854,130.054 58.293,130.493 J1.86@59.69,130.493 ; J1.86@59.6,130.5 62.5,130.5 63.9,129.1 65.5,129.1 66.8,130.4 79.758,130.4 J2.86@79.91,130.552 ; J2.86@79.92,130.5 82.82,130.5 84.22,129.1 85.82,129.1 87.12,130.4 100.078,130.4 J3.86@100.23,130.552 ; J3.86@100.24,130.5 103.14,130.5 104.54,129.1 106.14,129.1 107.44,130.4 120.398,130.4 J4.86@120.55,130.552 ; J4.86@120.56,130.5 123.46,130.5 124.86,129.1 126.46,129.1 127.76,130.4 140.718,130.4 J5.86@140.87,130.552 ; J5.86@140.88,130.5 143.78,130.5 145.18,129.1 146.78,129.1 148.08,130.4 161.038,130.4 J6.86@161.19,130.552 ; J6.86@161.2,130.5 164.1,130.5 165.5,129.1 167.1,129.1 168.4,130.4 181.358,130.4 J7.86@181.51,130.552 ; J7.86@181.52,130.5 184.42,130.5 185.82,129.1 187.42,129.1 188.72,130.4 201.678,130.4 J8.86@201.83,130.552 ; J8.86@201.84,130.5 204.74,130.5 206.14,129.1 207.74,129.1 209.04,130.4 221.998,130.4 J9.86@222.15,130.552 ; J9.86@222.16,130.5 225.06,130.5 226.46,129.1 228.06,129.1 229.36,130.4 242.318,130.4 J10.86@242.47,130.552 ; J10.86@242.48,130.5 245.38,130.5 246.78,129.1 248.38,129.1 249.68,130.4 262.638,130.4 J11.86@262.79,130.552 ; J11.86@262.8,130.5 265.7,130.5 267.1,129.1 268.7,129.1 270,130.4 282.958,130.4 J12.86@283.11,130.552 ; J12.86@283.12,130.5 286.02,130.5 287.42,129.1 289.02,129.1 290.32,130.4 303.278,130.4 J13.86@303.43,130.552 ; J13.86@303.44,130.5 306.34,130.5 307.74,129.1 309.34,129.1 310.64,130.4 323.598,130.4 J14.86@323.75,130.552 ; J14.86@323.76,130.5 326.66,130.5 328.06,129.1 329.66,129.1 330.96,130.4 343.918,130.4 J15.86@344.07,130.552 ; J15.86@344.08,130.5 346.98,130.5 348.38,129.1 349.98,129.1 351.28,130.4 364.238,130.4 J16.86@364.39,130.552
BUS28_P: J1.87 J2.87 J3.87 J4.87 J5.87 J6.87 J7.87 J8.87 J9.87 J10.87 J11.87 J12.87 J13.87 J14.87 J15.87 J16.87 R29.2 U3.11 | length 371.1
  Top Layer w0.127: R29.2@53.1,130.3 53.8,129.6 57.5,129.6 57.877,129.222 J1.87@62.23,129.222
  Bottom Layer w0.127: U3.11@51,127.295 49.895,127.295 48.5,125.9 48.5,124.6 49.8,123.3 57,123.3 57.954,124.254 57.954,127.757 58.108,127.911 58.108,128.808 58.6,129.3 J1.87@62.2,129.3 ; J1.87@62.1,129.2 62.1,128.9 64.2,126.8 65.2,126.8 66.5,128.1 67.9,128.1 69.023,129.222 J2.87@82.45,129.222 ; J2.87@82.42,129.2 82.42,128.9 84.52,126.8 85.52,126.8 86.82,128.1 88.22,128.1 89.343,129.222 J3.87@102.77,129.222 ; J3.87@102.74,129.2 102.74,128.9 104.84,126.8 105.84,126.8 107.14,128.1 108.54,128.1 109.663,129.222 J4.87@123.09,129.222 ; J4.87@123.06,129.2 123.06,128.9 125.16,126.8 126.16,126.8 127.46,128.1 128.86,128.1 129.983,129.222 J5.87@143.41,129.222 ; J5.87@143.38,129.2 143.38,128.9 145.48,126.8 146.48,126.8 147.78,128.1 149.18,128.1 150.303,129.222 J6.87@163.73,129.222 ; J6.87@163.7,129.2 163.7,128.9 165.8,126.8 166.8,126.8 168.1,128.1 169.5,128.1 170.623,129.222 J7.87@184.05,129.222 ; J7.87@184.02,129.2 184.02,128.9 186.12,126.8 187.12,126.8 188.42,128.1 189.82,128.1 190.943,129.222 J8.87@204.37,129.222 ; J8.87@204.34,129.2 204.34,128.9 206.44,126.8 207.44,126.8 208.74,128.1 210.14,128.1 211.263,129.222 J9.87@224.69,129.222 ; J9.87@224.66,129.2 224.66,128.9 226.76,126.8 227.76,126.8 229.06,128.1 230.46,128.1 231.583,129.222 J10.87@245.01,129.222 ; J10.87@244.98,129.2 244.98,128.9 247.08,126.8 248.08,126.8 249.38,128.1 250.78,128.1 251.903,129.222 J11.87@265.33,129.222 ; J11.87@265.3,129.2 265.3,128.9 267.4,126.8 268.4,126.8 269.7,128.1 271.1,128.1 272.223,129.222 J12.87@285.65,129.222 ; J12.87@285.62,129.2 285.62,128.9 287.72,126.8 288.72,126.8 290.02,128.1 291.42,128.1 292.543,129.222 J13.87@305.97,129.222 ; J13.87@305.94,129.2 305.94,128.9 308.04,126.8 309.04,126.8 310.34,128.1 311.74,128.1 312.863,129.222 J14.87@326.29,129.222 ; J14.87@326.26,129.2 326.26,128.9 328.36,126.8 329.36,126.8 330.66,128.1 332.06,128.1 333.183,129.222 J15.87@346.61,129.222 ; J15.87@346.58,129.2 346.58,128.9 348.68,126.8 349.68,126.8 350.98,128.1 352.38,128.1 353.503,129.222 J16.87@366.93,129.222
BUS29: P7.32 U3.15 U11.1B4 | length 144.5
  Top Layer w0.127: P7.32@100,211 101,210 101,208.4 101.684,207.716 102.1,207.3 106.318,207.3 106.918,206.7 115.8,206.7 U11.1B4@116.75,205.75
  Bottom Layer w0.127: U3.15@51,132.375 47.025,132.375 46.074,133.326 46.074,136.228 46.07,136.232 46.07,149.929 50.024,153.884 52.406,153.884 56.422,157.9 56.422,167.43 84.602,195.61 110.91,195.61 117.76,202.46 117.76,204.75 U11.1B4@116.75,205.76
BUS29_N: J1.89 J2.89 J3.89 J4.89 J5.89 J6.89 J7.89 J8.89 J9.89 J10.89 J11.89 J12.89 J13.89 J14.89 J15.89 J16.89 R30.1 U3.14 | length 374.2
  Top Layer w0.127: R30.1@53.3,127.8 54.418,126.682 J1.89@62.23,126.682
  Bottom Layer w0.127: U3.14@51,131.105 49.305,131.105 47.9,129.7 47.9,124.482 49.59,122.792 57.21,122.792 58.462,124.044 58.462,126.562 58.6,126.7 J1.89@62.2,126.7 ; J1.89@62.1,126.7 62.1,126.4 64.2,124.3 65.2,124.3 66.5,125.6 67.9,125.6 69.023,126.722 J2.89@82.45,126.722 ; J2.89@82.42,126.7 82.42,126.4 84.52,124.3 85.52,124.3 86.82,125.6 88.22,125.6 89.343,126.722 J3.89@102.77,126.722 ; J3.89@102.74,126.7 102.74,126.4 104.84,124.3 105.84,124.3 107.14,125.6 108.54,125.6 109.663,126.722 J4.89@123.09,126.722 ; J4.89@123.06,126.7 123.06,126.4 125.16,124.3 126.16,124.3 127.46,125.6 128.86,125.6 129.983,126.722 J5.89@143.41,126.722 ; J5.89@143.38,126.7 143.38,126.4 145.48,124.3 146.48,124.3 147.78,125.6 149.18,125.6 150.303,126.722 J6.89@163.73,126.722 ; J6.89@163.7,126.7 163.7,126.4 165.8,124.3 166.8,124.3 168.1,125.6 169.5,125.6 170.623,126.722 J7.89@184.05,126.722 ; J7.89@184.02,126.7 184.02,126.4 186.12,124.3 187.12,124.3 188.42,125.6 189.82,125.6 190.943,126.722 J8.89@204.37,126.722 ; J8.89@204.34,126.7 204.34,126.4 206.44,124.3 207.44,124.3 208.74,125.6 210.14,125.6 211.263,126.722 J9.89@224.69,126.722 ; J9.89@224.66,126.7 224.66,126.4 226.76,124.3 227.76,124.3 229.06,125.6 230.46,125.6 231.583,126.722 J10.89@245.01,126.722 ; J10.89@244.98,126.7 244.98,126.4 247.08,124.3 248.08,124.3 249.38,125.6 250.78,125.6 251.903,126.722 J11.89@265.33,126.722 ; J11.89@265.3,126.7 265.3,126.4 267.4,124.3 268.4,124.3 269.7,125.6 271.1,125.6 272.223,126.722 J12.89@285.65,126.722 ; J12.89@285.62,126.7 285.62,126.4 287.72,124.3 288.72,124.3 290.02,125.6 291.42,125.6 292.543,126.722 J13.89@305.97,126.722 ; J13.89@305.94,126.7 305.94,126.4 308.04,124.3 309.04,124.3 310.34,125.6 311.74,125.6 312.863,126.722 J14.89@326.29,126.722 ; J14.89@326.26,126.7 326.26,126.4 328.36,124.3 329.36,124.3 330.66,125.6 332.06,125.6 333.183,126.722 J15.89@346.61,126.722 ; J15.89@346.58,126.7 346.58,126.4 348.68,124.3 349.68,124.3 350.98,125.6 352.38,125.6 353.503,126.722 J16.89@366.93,126.722